# Altium PCB LimeNet-Micro_2v0.PcbDoc (part 4 of 11)
Units mm, origin at the board's own origin, x right, y up, seen from the top; angles counter-clockwise.
Board outline 75 x 143 mm, 6 copper layers (Top, L2, L3, L4, L5, Bottom), stack 1.583 mm thick; 781 components, 551 nets, 3551 pads, 1336 vias.
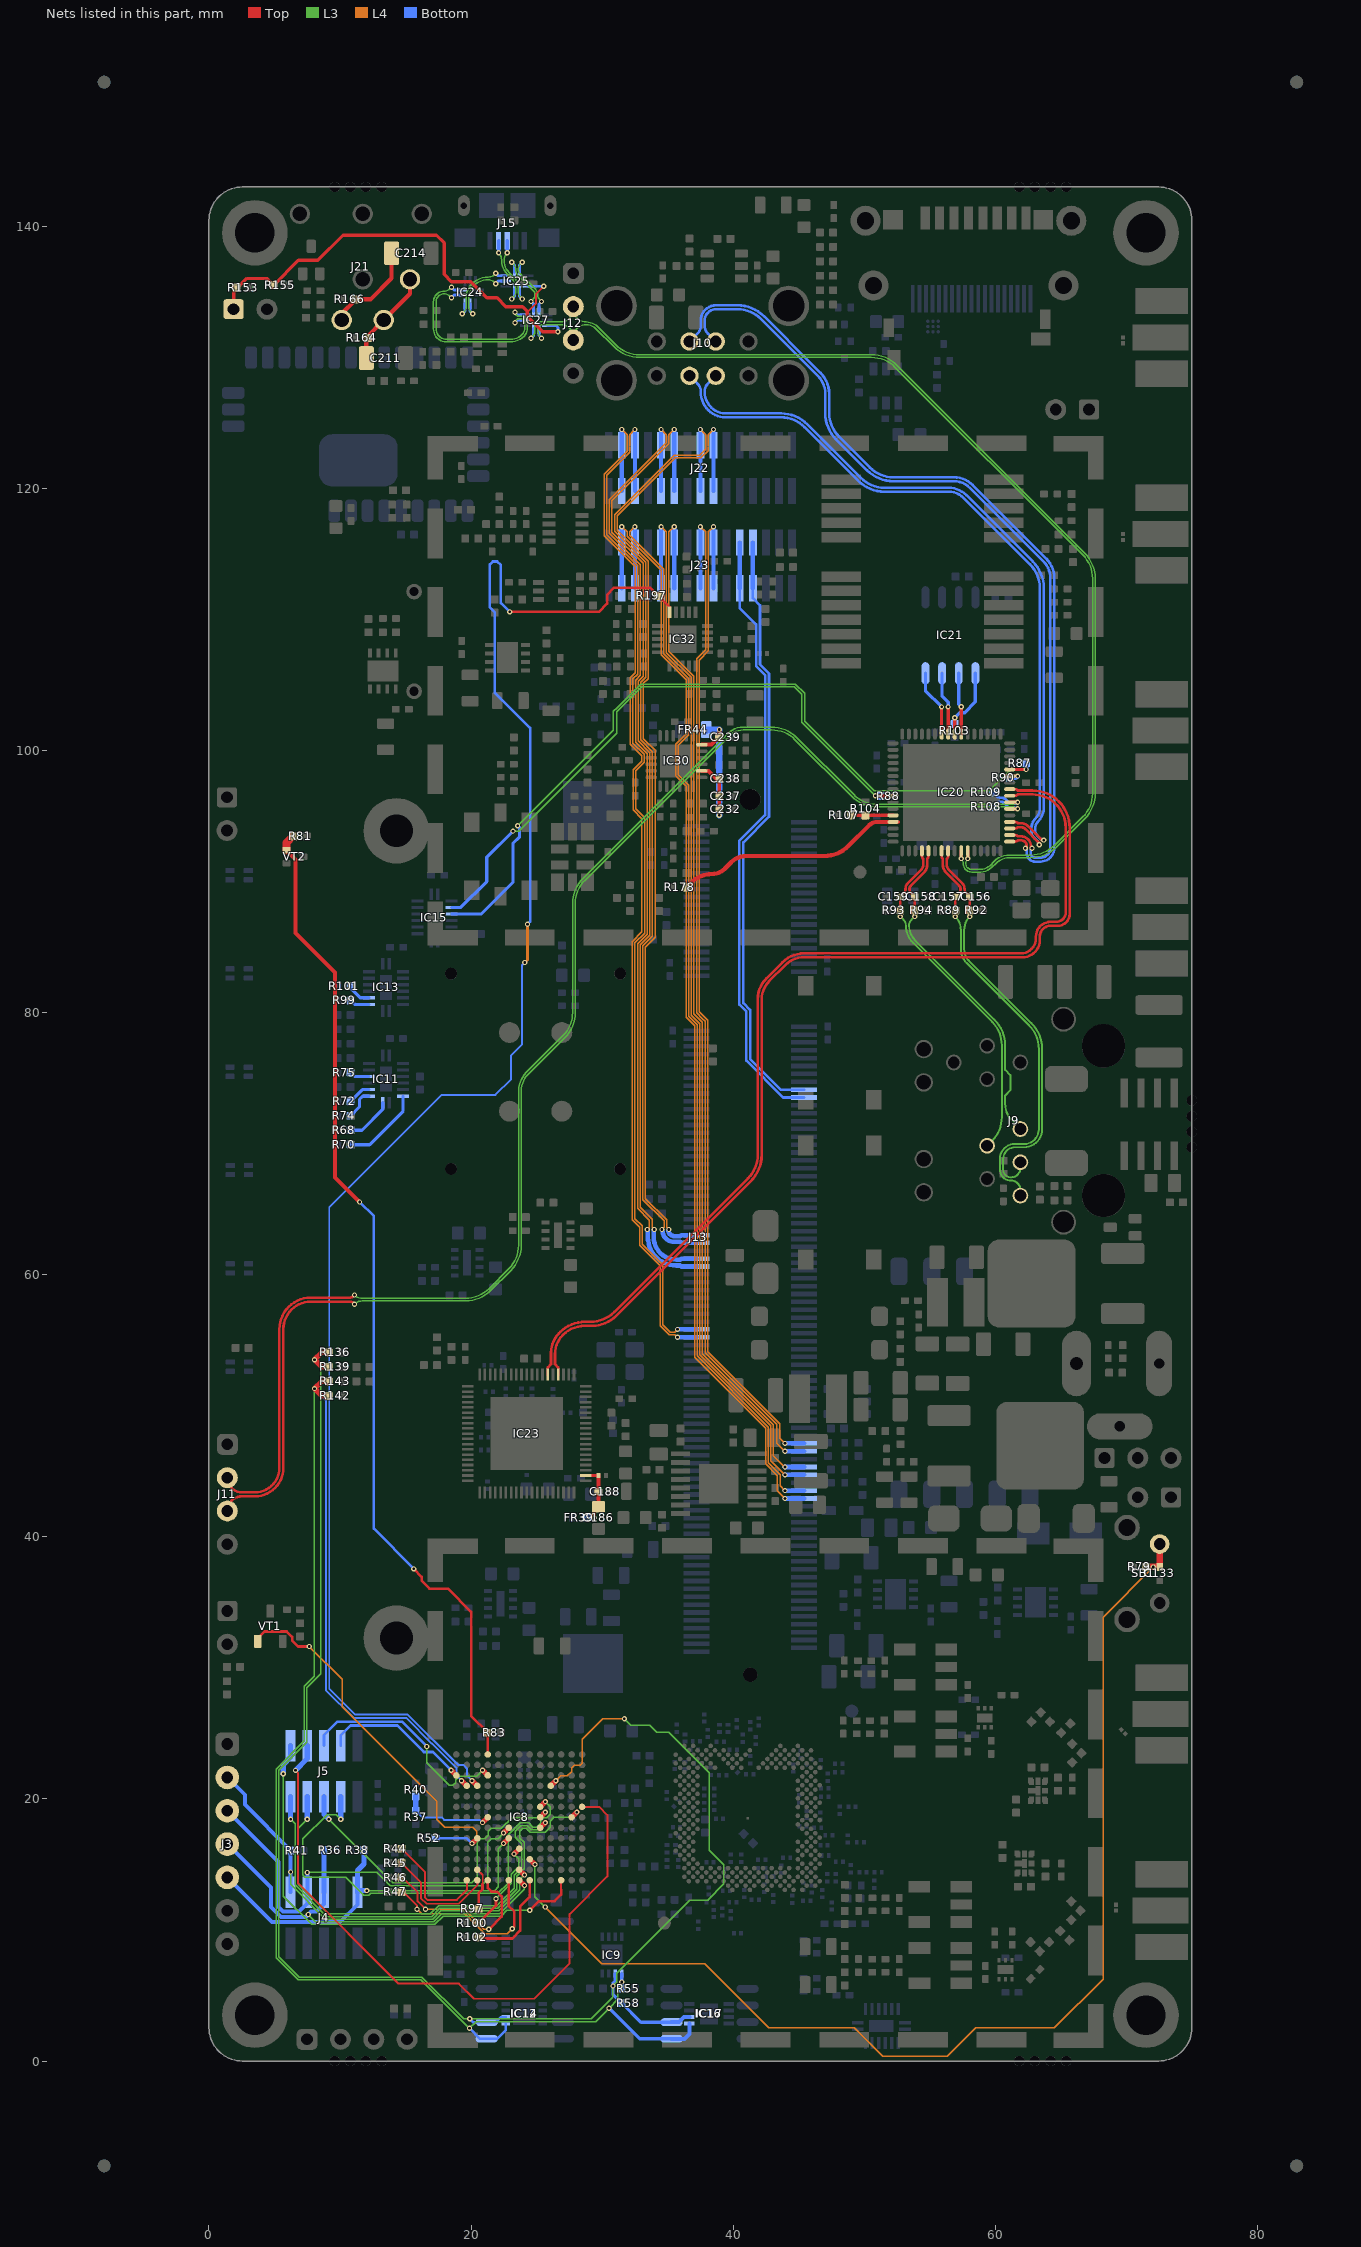
[diagram p8: the nets of this part, all layers, seen from the top]

## Part data (continued)
R184 R252: library part Res_0402, Manufacturer=Yageo, Manufacturer Part Number 1=RC0402FR-0722RL, Resistance (Ohms)=22, Supplier Device Package=0402, Supplier Part Number 1=311-22.0LRTR-ND, Temperature Coefficient=±100ppm/°C, Tolerance=±1%, Category=Resistors, Composition="Thick Film", Part Description="RES SMD 22 OHM 1% 1/16W 0402", Supplier 1=Digi-Key
R191 R239: library part Res_0402, Manufacturer="Panasonic Electronic Components", Manufacturer Part Number 1=ERA-2AED471X, Operating Temperature="-55°C ~ 155°C", Package / Case="0402 (1005 Metric)", Power (Watts)="0.063W, 1/16W", Resistance (Ohms)=470, Supplier Device Package=0402, Supplier Part Number 1=P470DETR-ND, Temperature Coefficient=±25ppm/°C, Tolerance=±0.5%, Category=Resistors, Composition="Thin Film", Features="Automotive AEC-Q200", Height="0.016\" (0.40mm)", Number of Terminations=2, Packaging="Tape & Reel (TR)", RoHS="RoHS Compliant", Size / Dimension="0.039\" L x 0.020\" W (1.00mm x 0.50mm)", Supplier 1=Digi-Key
  R191: Part Description="RES SMD 470 OHM 0.5% 1/16W 0402"
  R239: Assembly Info=NF
R199: library part Res_0402, Manufacturer=Yageo, Manufacturer Part Number 1=RC0402JR-07330RL, Operating Temperature="-55°C ~ 155°C", Package / Case="0402 (1005 Metric)", Power (Watts)="0.063W, 1/16W", Resistance (Ohms)=330, Supplier Device Package=0402, Supplier Part Number 1=311-330JRTR-ND, Temperature Coefficient=±100ppm/°C, Tolerance=±5%, Category=Resistors, Composition="Thick Film", Features="Moisture Resistant", Height="0.016\" (0.40mm)", Number of Terminations=2, Packaging="Tape & Reel (TR)", Part Description="RES SMD 330 OHM 5% 1/16W 0402", RoHS="RoHS Compliant", Size / Dimension="0.039\" L x 0.020\" W (1.00mm x 0.50mm)", Supplier 1=Digi-Key
R205 R206 R207: library part Res_0402, Manufacturer="Samsung Electro-Mechanics America, Inc.", Manufacturer Part Number 1=RC1005F49R9CS, Operating Temperature="-55°C ~ 155°C", Package / Case="0402 (1005 Metric)", Power (Watts)="0.063W, 1/16W", Resistance (Ohms)=49.9, Supplier Part Number 1=1276-3469-6-ND, Temperature Coefficient=±100ppm/°C, Tolerance=±1%, Category=Resistors, Composition="Thick Film", Features=-, Height="0.016\" (0.40mm)", Number of Terminations=2, Packaging=Digi-Reel®, Part Description="RES SMD 49.9 OHM 1% 1/16W 0402", RoHS="RoHS Compliant", Size / Dimension="0.039\" L x 0.020\" W (1.00mm x 0.50mm)", Supplier 1=Digi-Key, Supplier Device Package="0402 (1005 Metric)"
R209: library part Res_0402, Manufacturer=Yageo, Manufacturer Part Number 1=RC0402FR-0788K7L, Operating Temperature="-55°C ~ 155°C", Package / Case="0402 (1005 Metric)", Power (Watts)="0.063W, 1/16W", Supplier Device Package=0402, Supplier Part Number 1=311-88.7KLRCT-ND, Temperature Coefficient=±100ppm/°C, Tolerance=±1%, Category=Resistors, Composition="Thick Film", Failure Rate=-, Features="Moisture Resistant", Height - Seated (Max)="0.016\" (0.40mm)", Packaging="Cut Tape (CT)", Part Description="88.7 kOhms ±1% 0.063W, 1/16W Chip Resistor 0402 (1005 Metric) Moisture Resistant Thick Film", Part Status=Active, RoHS="RoHS Compliant", Size / Dimension="0.039\" L x 0.020\" W (1.00mm x 0.50mm)", Supplier 1=Digi-Key
R212: library part Res_0402, Manufacturer=Yageo, Manufacturer Part Number 1=RC0402FR-0733KL, Operating Temperature="-55°C ~ 155°C", Package / Case="0402 (1005 Metric)", Power (Watts)="0.063W, 1/16W", Supplier Device Package=0402, Supplier Part Number 1=311-33.0KLRCT-ND, Temperature Coefficient=±100ppm/°C, Tolerance=±1%, Category=Resistors, Composition="Thick Film", Failure Rate=-, Features="Moisture Resistant", Height - Seated (Max)="0.016\" (0.40mm)", Packaging="Cut Tape (CT)", Part Description="33 kOhms ±1% 0.063W, 1/16W Chip Resistor 0402 (1005 Metric) Moisture Resistant Thick Film", Part Status=Active, RoHS="RoHS Compliant", Size / Dimension="0.039\" L x 0.020\" W (1.00mm x 0.50mm)", Supplier 1=Digi-Key
R214: library part Res_0402, Manufacturer="Stackpole Electronics Inc.", Manufacturer Part Number=RMCF0805FT52R3, Operating Temperature="-55°C ~ 155°C", Package / Case="0805 (2012 Metric)", Power (Watts)="0.125W, 1/8W", Supplier Device Package=0805, Supplier Part Number 1=RMCF0805FT52R3CT-ND, Temperature Coefficient=±100ppm/°C, Tolerance=±1%, Category=Resistors, Composition="Thick Film", Failure Rate=-, Features="Automotive AEC-Q200", Height - Seated (Max)="0.026\" (0.65mm)", Packaging="Cut Tape (CT)", Part Status=Active, RoHS="RoHS Compliant", Size / Dimension="0.079\" L x 0.049\" W (2.00mm x 1.25mm)", Supplier 1=Digi-Key
R215 R217 R233: library part Res_0402, Manufacturer=Yageo, Manufacturer Part Number 1=RC0402FR-0715KL, Operating Temperature="-55°C ~ 155°C", Package / Case="0402 (1005 Metric)", Power (Watts)="0.063W, 1/16W", Resistance (Ohms)=15k, Supplier Device Package=0402, Supplier Part Number 1=311-15.0KLRCT-ND, Temperature Coefficient=±100ppm/°C, Tolerance=±1%, Category=Resistors, Composition="Thick Film", Failure Rate=-, Features="Moisture Resistant", Height - Seated (Max)="0.016\" (0.40mm)", Number of Terminations=2, Packaging="Cut Tape (CT)", Part Description="RES SMD 15K OHM 1% 1/16W 0402", Part Status=Active, RoHS="RoHS Compliant", Size / Dimension="0.039\" L x 0.020\" W (1.00mm x 0.50mm)", Supplier 1=Digi-Key
R218: library part Res_0402, Manufacturer=Yageo, Manufacturer Part Number 1=RC0402FR-07330KL, Operating Temperature="-55°C ~ 155°C", Package / Case="0402 (1005 Metric)", Power (Watts)="0.063W, 1/16W", Supplier Device Package=0402, Supplier Part Number 1=311-330KLRCT-ND, Temperature Coefficient=±100ppm/°C, Tolerance=±1%, Category=Resistors, Composition="Thick Film", Failure Rate=-, Features="Moisture Resistant", Height - Seated (Max)="0.016\" (0.40mm)", Packaging="Cut Tape (CT)", Part Description="330 kOhms ±1% 0.063W, 1/16W Chip Resistor 0402 (1005 Metric) Moisture Resistant Thick Film", Part Status=Active, RoHS="RoHS Compliant", Size / Dimension="0.039\" L x 0.020\" W (1.00mm x 0.50mm)", Supplier 1=Digi-Key
R222: library part Res_0402, Manufacturer="Samsung Electro-Mechanics", Manufacturer Part Number 1=RC1005F2102CS, Operating Temperature="-55°C ~ 155°C", Package / Case="0402 (1005 Metric)", Power (Watts)="0.063W, 1/16W", Supplier Device Package=0402, Supplier Part Number 1=1276-3450-1-ND, Temperature Coefficient=±100ppm/°C, Tolerance=±1%, Category=Resistors, Composition="Thick Film", Failure Rate=-, Features="Moisture Resistant", Height - Seated (Max)="0.016\" (0.40mm)", Packaging="Cut Tape (CT)", Part Description="21 kOhms ±1% 0.063W, 1/16W Chip Resistor 0402 (1005 Metric) Moisture Resistant Thick Film", Part Status=Active, RoHS="RoHS Compliant", Size / Dimension="0.039\" L x 0.020\" W (1.00mm x 0.50mm)", Supplier 1=Digi-Key
R231 R232: library part Res_0402, Manufacturer=Yageo, Manufacturer Part Number 1=RL0805JR-070R47L, Operating Temperature="-55°C ~ 155°C", Package / Case="0805 (2012 Metric)", Power (Watts)="0.125W, 1/8W", Supplier Device Package=0805, Supplier Part Number 1=311-0.47LVCT-ND, Temperature Coefficient=±300ppm/°C, Tolerance=±5%, Category=Resistors, Composition="Thick Film", Failure Rate=-, Features="Automotive AEC-Q200, Current Sense, Moisture Resistant", Height - Seated (Max)="0.024\" (0.60mm)", Packaging="Cut Tape (CT)", Part Description="470 mOhms ±5% 0.125W, 1/8W Chip Resistor 0805 (2012 Metric) Automotive AEC-Q200, Current Sense, Moisture Resistant Thick Film", Part Status=Active, RoHS="RoHS Compliant", Size / Dimension="0.079\" L x 0.049\" W (2.00mm x 1.25mm)", Supplier 1=Digi-Key
R234: library part Res_0402, Manufacturer=Yageo, Manufacturer Part Number=RC0402FR-0712K4L, Manufacturer Part Number 1=RT0402BRE0712K4L, Operating Temperature="-55°C ~ 155°C", Package / Case="0402 (1005 Metric)", Power (Watts)="0.063W, 1/16W", Supplier Device Package=0402, Supplier Part Number 1=YAG4337CT-ND, Temperature Coefficient=±50ppm/°C, Tolerance=±0.1%, Category=Resistors, Composition="Thin Film", Failure Rate=-, Features=-, Height - Seated (Max)="0.014\" (0.35mm)", Packaging="Cut Tape (CT)", Part Description=RT0402BRE0712K4L, Part Status=Active, RoHS="RoHS Compliant", Size / Dimension="0.039\" L x 0.020\" W (1.00mm x 0.50mm)", Supplier 1=Digi-Key
R236: library part Res_0402, Manufacturer="Vishay Dale", Manufacturer Part Number=CRCW0402560RFKED, Operating Temperature="-55°C ~ 155°C", Package / Case="0402 (1005 Metric)", Power (Watts)="0.063W, 1/16W", Resistance (Ohms)=560, Supplier Part Number 1=541-560LCT-ND, Temperature Coefficient=±100ppm/°C, Tolerance=±1%, Category=Resistors, Composition="Thick Film", Features="Automotive AEC-Q200", Height="0.016\" (0.40mm)", Number of Terminations=2, Packaging="Cut Tape (CT)", Part Description="RES SMD 560 OHM 1% 1/16W 0402", RoHS="RoHS Compliant", Size / Dimension="0.039\" L x 0.020\" W (1.00mm x 0.50mm)", Supplier 1=Digi-Key, Supplier Device Package="0402 (1005 Metric)"
R237 R238: library part Res_0402, Manufacturer=Yageo, Manufacturer Part Number=RC0402FR-07118KL, Operating Temperature="-55°C ~ 155°C", Package / Case="0402 (1005 Metric)", Power (Watts)="0.063W, 1/16W", Supplier Device Package=0402, Supplier Part Number 1=YAG2369CT-ND, Temperature Coefficient=±100ppm/°C, Tolerance=±1%, Category=Resistors, Composition="Thick Film", Failure Rate=-, Features="Moisture Resistant", Height - Seated (Max)="0.016\" (0.40mm)", Packaging="Cut Tape (CT)", Part Status=Active, RoHS="RoHS Compliant", Size / Dimension="0.039\" L x 0.020\" W (1.00mm x 0.50mm)", Supplier 1=Digi-Key
R241 R242: library part Res_0402, Manufacturer=Yageo, Manufacturer Part Number 1=RC0402JR-07150KL, Operating Temperature="-55°C ~ 155°C", Package / Case="0402 (1005 Metric)", Power (Watts)="0.063W, 1/16W", Supplier Device Package=0402, Supplier Part Number 1=311-150KJRCT-ND, Temperature Coefficient=±100ppm/°C, Tolerance=±5%, Category=Resistors, Composition="Thick Film", Failure Rate=-, Features="Moisture Resistant", Height - Seated (Max)="0.016\" (0.40mm)", Packaging="Cut Tape (CT)", Part Description="150 kOhms ±5% 0.063W, 1/16W Chip Resistor 0402 (1005 Metric) Moisture Resistant Thick Film", Part Status=Active, RoHS="RoHS Compliant", Size / Dimension="0.039\" L x 0.020\" W (1.00mm x 0.50mm)", Supplier 1=Digi-Key
R243: library part Res_0402, Manufacturer=Yageo, Manufacturer Part Number=RC0402FR-071K6L, Operating Temperature="-55°C ~ 155°C", Package / Case="0402 (1005 Metric)", Power (Watts)="0.063W, 1/16W", Supplier Device Package=0402, Supplier Part Number 1=YAG3045CT-ND, Temperature Coefficient=±100ppm/°C, Tolerance=±1%, Category=Resistors, Composition="Thick Film", Failure Rate=-, Features="Moisture Resistant", Height - Seated (Max)="0.016\" (0.40mm)", Packaging="Cut Tape (CT)", Part Description="1.6 kOhms ±1% 0.063W, 1/16W Chip Resistor 0402 (1005 Metric) Moisture Resistant Thick Film", Part Status=Active, RoHS="RoHS Compliant", Size / Dimension="0.039\" L x 0.020\" W (1.00mm x 0.50mm)", Supplier 1=Digi-Key
R244: library part Res_0402, Manufacturer=Yageo, Manufacturer Part Number=RC0402FR-07750RL, Operating Temperature="-55°C ~ 155°C", Package / Case="0402 (1005 Metric)", Power (Watts)="0.063W, 1/16W", Resistance (Ohms)=750, Supplier Device Package=0402, Supplier Part Number 1=311-750LRCT-ND, Temperature Coefficient=±100ppm/°C, Tolerance=±1%, Category=Resistors, Composition="Thick Film", Features="Moisture Resistant", Height="0.016\" (0.40mm)", Number of Terminations=2, Packaging="Cut Tape (CT)", Part Description="RES SMD 750 OHM 1% 1/16W 0402", RoHS="RoHS Compliant", Size / Dimension="0.039\" L x 0.020\" W (1.00mm x 0.50mm)", Supplier 1=Digi-Key
R246: library part Res_0402, Manufacturer=Yageo, Manufacturer Part Number=RC0402FR-07510RL, Operating Temperature="-55°C ~ 155°C", Package / Case="0402 (1005 Metric)", Power (Watts)="0.063W, 1/16W", Supplier Device Package=0402, Supplier Part Number 1=311-510LRCT-ND, Temperature Coefficient=±100ppm/°C, Tolerance=±1%, Category=Resistors, Composition="Thick Film", Failure Rate=-, Features="Moisture Resistant", Height - Seated (Max)="0.016\" (0.40mm)", Packaging="Cut Tape (CT)", Part Description="510 Ohms ±1% 0.063W, 1/16W Chip Resistor 0402 (1005 Metric) Moisture Resistant Thick Film", Part Status=Active, RoHS="RoHS Compliant", Size / Dimension="0.039\" L x 0.020\" W (1.00mm x 0.50mm)", Supplier 1=Digi-Key
R248: library part Res_0402, Manufacturer=Yageo, Manufacturer Part Number 1=RC0402FR-07187KL, Operating Temperature="-55°C ~ 155°C", Package / Case="0402 (1005 Metric)", Power (Watts)="0.063W, 1/16W", Supplier Device Package=0402, Supplier Part Number 1=311-187KLRCT-ND, Temperature Coefficient=±100ppm/°C, Tolerance=±1%, Category=Resistors, Composition="Thick Film", Failure Rate=-, Features="Moisture Resistant", Height - Seated (Max)="0.016\" (0.40mm)", Packaging="Cut Tape (CT)", Part Description="187 kOhms ±1% 0.063W, 1/16W Chip Resistor 0402 (1005 Metric) Moisture Resistant Thick Film", Part Status=Active, RoHS="RoHS Compliant", Size / Dimension="0.039\" L x 0.020\" W (1.00mm x 0.50mm)", Supplier 1=Digi-Key
R249: library part Res_0402, Manufacturer=Yageo, Manufacturer Part Number 1=RC0402FR-0782K5L, Operating Temperature="-55°C ~ 155°C", Package / Case="0402 (1005 Metric)", Power (Watts)="0.063W, 1/16W", Supplier Device Package=0402, Supplier Part Number 1=311-82.5KLRCT-ND, Temperature Coefficient=±100ppm/°C, Tolerance=±1%, Category=Resistors, Composition="Thick Film", Failure Rate=-, Features="Moisture Resistant", Height - Seated (Max)="0.016\" (0.40mm)", Packaging="Cut Tape (CT)", Part Description="82.5 kOhms ±1% 0.063W, 1/16W Chip Resistor 0402 (1005 Metric) Moisture Resistant Thick Film", Part Status=Active, RoHS="RoHS Compliant", Size / Dimension="0.039\" L x 0.020\" W (1.00mm x 0.50mm)", Supplier 1=Digi-Key
SB1: library part Button_right_edge, Contact Rating @ Voltage="0.05A @ 24VDC", Illumination Type, Color=-, Manufacturer="TE Connectivity ALCOSWITCH Switches", Manufacturer Part Number 1=1825027-5, Operating Force=160gf, Operating Temperature="-35°C ~ 85°C", Supplier Part Number 1=450-1662-ND, Actuator Height off PCB, Vertical=-, Actuator Length, Right Angle=3.86mm, Actuator Material="Polybutylene Terephthalate (PBT)", Actuator Orientation="Side Actuated", Actuator Type=Standard, Category=Switches, Circuit=SPST-NO, ComponentLink1Description=http://www.te.com/commerce/DocumentDelivery/DDEController?Action=srchrtrv&DocNm=1825027&DocType=Customer+Drawing&DocLang=English, ComponentLink1URL=http://www.te.com/commerce/DocumentDelivery/DDEController?Action=srchrtrv&DocNm=1825027&DocType=Customer+Drawing&DocLang=English, Features=-, Illumination=Non-Illuminated, Illumination Voltage (Nominal)=-, Ingress Protection=-, Mechanical Life="100,000 Cycles", Mounting Type="Through Hole, Right Angle", Outline="7.10mm x 7.00mm", Packaging=Bulk, Part Description="Tactile Switch SPST-NO Side Actuated Through Hole, Right Angle", Part Status=Active, Pricing 1="1=0.17, 10=0.169, 25=0.1628, 50=0.157, 100=0.1482, 250=0.13952, 500=0.1337, 1000=0.10173, 5000=0.08429 (USD)", RoHS="RoHS Compliant", Stock 1=19790, Supplier 1=Digi-Key, Switch Function=Off-Mom, Switch Travel=0.25mm, Termination Style="PC Pin"
T1 T2 T3 T4: library part TC1-1-13M+, Manufacturer=Minicircuits, Manufacturer Part Number 1=TC1-1-13M-45+, Part Description="RF balun; 1:1 ratio; 3 dB bandwidth: 0.3 MHz to 3.5 GHz; 3.8mm x 3.8mm", Supplier 1=Minicircuits, Supplier Part Number 1=TC1-1-13M-45+
T5: library part PoE13P-50L_Flyback_transformer_1, Case/Package=127, DC Resistance (DCR)=222mR, Inductance=127uh, Isolation Voltage=1.5kV, Manufacturer=Coilcraft, Manufacturer Part Number 1=POE13P-50LB, Package Quantity=1, Supplier Part Number 1=994-POE13P-50LB, Height=12.7mm, Lead Free="Contains Lead", Length=13.46mm, Packaging="Cut Tape", Part Description="Audio Transformers / Signal Transformers POE13P Flyback PoE 127uH 5.0 V 2.6 A", Pricing 1="1=3.92, 10=3.53, 50=3.14, 100=2.75, 1000=2.11, 10000=2.11 (USD)", REACH SVHC="No SVHC", Stock 1=99, Supplier 1=Mouser, Turns Ratio=1:0.25, Width=13mm
VD1: library part TVS_ESD5384NCTBG, Capacitance=29pF, Manufacturer="ON Semiconductor", Manufacturer Part Number 1=ESD5384NCTBG, Max Operating Temperature=85°C, Max Reverse Leakage Current=200nA, Min Breakdown Voltage=6V, Min Operating Temperature=-30°C, Package Quantity=5000, Power Line Protection=No, Reverse Standoff Voltage=3V, Supplier Part Number 1=ESD5384NCTBGOSDKR-ND, Composition=Zener, Depth=1.14mm, Direction=Unidirectional, ESD Protection=Yes, Halogen Free="Halogen Free", Height=0.63mm, Lead Free="Lead Free", Length=1.14mm, Number of Lines=5, Number of Pins=9, Number of Unidirectional Channels=5, Packaging="Tape and Reel", Part Description="TVS DIODE 3V 9WLCSP", Pricing 1="1=0.47, 10=0.406, 100=0.3028, 500=0.23794, 1000=0.18386 (USD)", Radiation Hardening=No, Stock 1=4993, Supplier 1=Digi-Key, Width=1.14mm
VD2: library part BAV99WT1G_DUAL_DIODE, Average Rectified Current=715mA, Case/Package=SOT-323-3, Forward Voltage=1.25V, Manufacturer="ON Semiconductor", Manufacturer Part Number 1=SBAV99WT1G, Max Forward Surge Current (Ifsm)=500mA, Max Operating Temperature=150°C, Max Power Dissipation=200mW, Max Repetitive Reverse Voltage (Vrrm)=70V, Max Reverse Leakage Current=2.5uA, Max Reverse Voltage (DC)=100V, Min Operating Temperature=-65°C, Package Quantity=3000, Peak Non-Repetitive Surge Current=2A, Supplier Part Number 1=SBAV99WT1GOSCT-ND, Element Configuration=Dual, Forward Current=715mA, Halogen Free="Halogen Free", Height=0.9mm, Lead Free="Lead Free", Length=2.2mm, Max Surge Current=500mA, Number of Pins=3, Packaging="Tape and Reel", Part Description="Diode Array 1 Pair Series Connection Standard 100V 215mA (DC) Surface Mount SC-70, SOT-323", Peak Reverse Current=2.5uA, Pricing 1="1=0.32, 10=0.259, 100=0.1375, 500=0.09044, 1000=0.0615 (USD)", Radiation Hardening=No, REACH SVHC="No SVHC", Recovery Time=6ns, Reverse Recovery Time=6ns, Stock 1=1217, Supplier 1=Digi-Key, Width=1.35mm
VD3 VD6: library part DIODE_TVS_UNIDIR, "SMAJ58A-TR", Base Part Number=SMAJ58, Capacitance @ Frequency=-, Current - Peak Pulse (10/1000µs)=4.3A, Manufacturer="Diodes Incorporated", Manufacturer Part Number 1=SMAJ58A-13-F, Operating Temperature="-55°C ~ 150°C (TJ)", Package / Case="DO-214AC, SMA", Power - Peak Pulse=400W, Power Line Protection=No, Supplier Device Package=SMA, Supplier Part Number 1=SMAJ58A-13-FDICT-ND, Voltage - Breakdown (Min)=64.4V, Voltage - Clamping (Max) @ Ipp=93.6V, Voltage - Reverse Standoff (Typ)=58V, Applications="General Purpose", Category="Circuit Protection", Mounting Type="Surface Mount", Packaging="Cut Tape (CT)", Part Description="TVS DIODE 58V 93.6V SMA", Part Status=Active, RoHS="RoHS Compliant", Supplier 1=Digi-Key, Type=Zener
VD4: library part BZX84C15W_DIODE_ZENER, Case/Package=SOT-323, Manufacturer=Diodes, Manufacturer Part Number 1=BZX84C15W-7-F, Max Operating Temperature=125°C, Max Power Dissipation=200mW, Max Reverse Leakage Current=100nA, Min Operating Temperature=-65°C, Output Current=23mA, Package Quantity=3000, Supplier Part Number 1=BZX84C15W-FDIDKR-ND, Test Current=5mA, Tolerance=6%, Voltage Rating (DC)=15V, ComponentLink1Description=http://www.onsemi.com/pub/Collateral/BZX84C2V4LT1-D.PDF, ComponentLink1URL=http://www.onsemi.com/pub/Collateral/BZX84C2V4LT1-D.PDF, ComponentLink2Description=https://www.verical.com/server-webapp/html/getDatasheet?partID=101861, ComponentLink2URL=https://www.verical.com/server-webapp/html/getDatasheet?partID=101861, ComponentLink3Description=http://www.farnell.com/datasheets/1874542.pdf, ComponentLink3URL=http://www.farnell.com/datasheets/1874542.pdf, ComponentLink4Description=https://www.alliedelec.com/m/d/89a0f5fa5faf07909887b6182710b562.pdf, ComponentLink4URL=https://www.alliedelec.com/m/d/89a0f5fa5faf07909887b6182710b562.pdf, ComponentLink5Description=https://www.onsemi.com/pub/Collateral/BZX84C2V4LT1-D.PDF, ComponentLink5URL=https://www.onsemi.com/pub/Collateral/BZX84C2V4LT1-D.PDF, ComponentLink6Description=http://www.onsemi.com/pub_link/Collateral/BZX84C2V4LT1-D.PDF, ComponentLink6URL=http://www.onsemi.com/pub_link/Collateral/BZX84C2V4LT1-D.PDF, ComponentLink7Description=http://www.diodes.com/datasheets/ds30066.pdf, ComponentLink7URL=http://www.diodes.com/datasheets/ds30066.pdf, ComponentLink8Description=https://www.diodes.com/assets/Datasheets/ds30066.pdf, ComponentLink8URL=https://www.diodes.com/assets/Datasheets/ds30066.pdf, ComponentLink9Description=http://www.diodes.com//datasheets/ds30066.pdf, ComponentLink9URL=http://www.diodes.com//datasheets/ds30066.pdf, Contact Plating=Matte,Tin, Element Configuration=Single, ESD Protection=No, Height=1mm, Impedance=30R, Lead Free="Lead Free", Length=2.2mm, Mount="Surface Mount", Number of Pins=3, Packaging="Tape and Reel", Part Description="Zener Diode 15V 200mW ±6% Surface Mount SOT-323", Peak Reverse Current=100nA, Power Dissipation=200mW, Power Rating=200mW, Pricing 1="1=0.38, 10=0.284, 100=0.161, 500=0.1066, 1000=0.08173 (USD)", Radiation Hardening=No, Stock 1=4066, Supplier 1=Digi-Key, Termination=SMD/SMT, Voltage Tolerance=6%, Weight=0.000212oz, Width=1.35mm, Zener Current=5mA, Zener Voltage=15V
VD5: library part STPS15L30C_shottky_rectifier, Average Rectified Current=7.5A, Case/Package=DPAK, Current Rating=15A, Forward Voltage=570mV, Manufacturer=STMicroelectronics, Manufacturer Part Number 1=STPS15L30CB-TR, Max Forward Surge Current (Ifsm)=75A, Max Operating Temperature=150°C, Max Repetitive Reverse Voltage (Vrrm)=30V, Min Operating Temperature=-65°C, Package Quantity=2500, Peak Reverse Current=1mA, Supplier Part Number 1=497-6574-6-ND, ComponentLink1Description=http://www.st.com/content/ccc/resource/technical/document/datasheet/1f/cc/d5/79/c8/b2/47/15/CD00002832.pdf/files/CD00002832.pdf/jcr:content/translations/en.CD00002832.pdf, ComponentLink1URL=http://www.st.com/content/ccc/resource/technical/document/datasheet/1f/cc/d5/79/c8/b2/47/15/CD00002832.pdf/files/CD00002832.pdf/jcr:content/translations/en.CD00002832.pdf, ComponentLink2Description=http://www.mouser.com/ds/2/389/stps15l30c-956623.pdf, ComponentLink2URL=http://www.mouser.com/ds/2/389/stps15l30c-956623.pdf, Contact Plating=Matte,Tin, Element Configuration="Common Cathode", Forward Current=15A, Lead Free="Lead Free", Max Reverse Voltage (DC)=30V, Mount="Surface Mount", Number of Pins=3, Packaging="Tape and Reel", Part Description="Diode Array 1 Pair Common Cathode Schottky 30V 7.5A Surface Mount TO-252-3, DPak (2 Leads + Tab), SC-63", Peak Non-Repetitive Surge Current=75A, Pricing 1="1=1.48, 10=1.327, 100=1.0343, 500=0.8544, 1000=0.67453 (USD)", Radiation Hardening=No, Stock 1=5072, Supplier 1=Digi-Key, Voltage Rating (DC)=30V
VD7: library part DIODE_TVS_UNIDIR, "SMAJ12CA-13-F", Base Part Number=SMBJ5V0, Capacitance @ Frequency=-, Current - Peak Pulse (10/1000µs)=65.2A, Manufacturer="ON Semiconductor", Operating Temperature="-55°C ~ 150°C (TJ)", Package / Case="DO-214AA, SMB", Power - Peak Pulse=600W, Power Line Protection=No, Supplier Device Package="DO-214AA (SMB)", Supplier Part Number 1=SMBJ5V0ACT-ND, Voltage - Breakdown (Min)=6.4V, Voltage - Clamping (Max) @ Ipp=9.2V, Voltage - Reverse Standoff (Typ)=5V, Applications="General Purpose", Assembly Info=NF, Category="Circuit Protection", Manufacturer Part Number 1=SMBJ5V0A, Mounting Type="Surface Mount", Packaging="Cut Tape (CT)", Part Description="TVS DIODE 5V 9.2V DO214AA", Part Status="Discontinued at Digi-Key", RoHS="RoHS Compliant", Supplier 1=Digi-Key, Type=Zener
VT1: library part NDS331N, "NDS331N", Current - Continuous Drain (Id) @ 25°C="6.3A (Ta)", Drive Voltage (Max Rds On,  Min Rds On)="2.5V, 4.5V", Input Capacitance (Ciss) (Max) @ Vds="700pF @ 16V", Manufacturer="Infineon Technologies", Operating Temperature="-55°C ~ 150°C (TJ)", Package / Case="TO-236-3, SC-59, SOT-23-3", Power Dissipation (Max)="1.3W (Ta)", Supplier Device Package=Micro3™/SOT-23, Supplier Part Number 1=IRLML6244TRPBFTR-ND, Category="Discrete Semiconductor Products", ComponentLink1Description=https://www.infineon.com/dgdl/irlml6244pbf.pdf?fileId=5546d462533600a4015356686fed261f, ComponentLink1URL=https://www.infineon.com/dgdl/irlml6244pbf.pdf?fileId=5546d462533600a4015356686fed261f, FET Feature=-, FET Type=N-Channel, Gate Charge (Qg) (Max) @ Vgs="8.9nC @ 4.5V", Manufacturer Part Number 1=IRLML6244TRPBF, Mounting Type="Surface Mount", Packaging="Tape & Reel (TR)", Part Description="N-Channel 20V 6.3A (Ta) 1.3W (Ta) Surface Mount Micro3™/SOT-23", Part Status=Active, Pricing 1="3000=0.09979 (USD)", Rds On (Max) @ Id, Vgs="21 mOhm @ 6.3A, 4.5V", RoHS="RoHS Compliant", Stock 1=21000, Supplier 1=Digi-Key, Technology="MOSFET (Metal Oxide)", Vgs (Max)=±12V, Vgs(th) (Max) @ Id="1.1V @ 10µA"
VT2 VT3 VT4 VT5 VT6 VT7: Current - Continuous Drain (Id) @ 25°C="630mA (Ta)", Drive Voltage (Max Rds On,  Min Rds On)="1.8V, 4.5V", Manufacturer="Diodes Incorporated", Manufacturer Part Number=DMG1012TQ-7, Operating Temperature="-55°C ~ 150°C (TJ)", Package / Case=SOT-523, Power Dissipation (Max)="280mW (Ta)", Supplier Part Number 1=DMG1012TQ-7DICT-ND, Category="Discrete Semiconductor Products", ComponentLink1Description=https://www.diodes.com/assets/Datasheets/ds31783.pdf, ComponentLink1URL=https://www.diodes.com/assets/Datasheets/ds31783.pdf, FET Feature=-, FET Type=N-Channel, Mounting Type="Surface Mount", Packaging="Cut Tape (CT)", Part Description="N-Channel 20V 630mA (Ta) 280mW (Ta) Surface Mount SOT-523", Part Status=Active, Pricing 1="1=0.47, 10=0.424, 100=0.2375, 500=0.12722, 1000=0.08651 (USD)", Rds On (Max) @ Id, Vgs="400 mOhm @ 600mA, 4.5V", RoHS="RoHS Compliant", Stock 1=3569, Supplier 1=Digi-Key, Supplier Device Package=SOT-523, Technology="MOSFET (Metal Oxide)", Vgs (Max)=±6V, Vgs(th) (Max) @ Id="1V @ 250µA"
VT8: library part STS10N3LH5_NMOS, Case/Package=SOIC, Continuous Drain Current (ID)=10A, Drain to Source Voltage (Vdss)=30V, Gate to Source Voltage (Vgs)=22V, Input Capacitance=475pF, Manufacturer=STMicroelectronics, Max Operating Temperature=150°C, Max Power Dissipation=2.5W, Min Operating Temperature=-55°C, Package Quantity=2500, Supplier Part Number 1=497-10010-1-ND, ComponentLink1Description=http://www.st.com/web/en/resource/technical/document/datasheet/CD00103832.pdf, ComponentLink1URL=http://www.st.com/web/en/resource/technical/document/datasheet/CD00103832.pdf, ComponentLink2Description=http://www.st.com/content/ccc/resource/technical/document/datasheet/00/75/48/c3/62/90/4a/32/CD00103832.pdf/files/CD00103832.pdf/jcr:content/translations/en.CD00103832.pdf, ComponentLink2URL=http://www.st.com/content/ccc/resource/technical/document/datasheet/00/75/48/c3/62/90/4a/32/CD00103832.pdf/files/CD00103832.pdf/jcr:content/translations/en.CD00103832.pdf, ComponentLink3Description=http://www.mouser.com/ds/2/389/CD00103832-114014.pdf, ComponentLink3URL=http://www.mouser.com/ds/2/389/CD00103832-114014.pdf, ComponentLink4Description=http://www.st.com/web/en/resource/technical/document/datasheet/CD00232229.pdf, ComponentLink4URL=http://www.st.com/web/en/resource/technical/document/datasheet/CD00232229.pdf, ComponentLink5Description=http://www.st.com/content/ccc/resource/technical/document/datasheet/53/fc/cf/05/f9/85/43/7e/CD00232229.pdf/files/CD00232229.pdf/jcr:content/translations/en.CD00232229.pdf, ComponentLink5URL=http://www.st.com/content/ccc/resource/technical/document/datasheet/53/fc/cf/05/f9/85/43/7e/CD00232229.pdf/files/CD00232229.pdf/jcr:content/translations/en.CD00232229.pdf, Fall Time=2.8ns, Lead Free="Lead Free", Manufacturer Part Number=STS10N3LH5, Mount="Surface Mount", Number of Pins=8, Packaging="Tape and Reel", Part Description="N-Channel 30V 10A (Tc) 2.5W (Tc) Surface Mount 8-SO", Pricing 1="1=1.38, 10=1.219, 100=0.9632, 500=0.74698, 1000=0.58973 (USD)", Radiation Hardening=No, Rds On Max=21mR, Rise Time=22ns, Stock 1=4194, Supplier 1=Digi-Key, Turn-Off Delay Time=13ns, Turn-On Delay Time=4ns
VT9: library part STD5N20LT4_NMOS, Case/Package=DPAK, Continuous Drain Current (ID)=5A, Drain to Source Breakdown Voltage=200V, Drain to Source Resistance=650mR, Gate to Source Voltage (Vgs)=20V, Input Capacitance=242pF, Manufacturer=STMicroelectronics, Max Operating Temperature=150°C, Max Power Dissipation=33W, Min Operating Temperature=-55°C, On-State Resistance=700mR, Package Quantity=2500, Supplier Part Number 1=497-4335-6-ND, Threshold Voltage=2.5V, ComponentLink1Description=http://www.farnell.com/datasheets/1689960.pdf, ComponentLink1URL=http://www.farnell.com/datasheets/1689960.pdf, ComponentLink2Description=http://www.st.com/content/ccc/resource/technical/document/datasheet/group2/51/4c/d5/e5/c6/ef/43/17/CD00043538/files/CD00043538.pdf/jcr:content/translations/en.CD00043538.pdf, ComponentLink2URL=http://www.st.com/content/ccc/resource/technical/document/datasheet/group2/51/4c/d5/e5/c6/ef/43/17/CD00043538/files/CD00043538.pdf/jcr:content/translations/en.CD00043538.pdf, ComponentLink3Description=http://www.st.com/web/en/resource/technical/document/datasheet/CD00043538.pdf, ComponentLink3URL=http://www.st.com/web/en/resource/technical/document/datasheet/CD00043538.pdf, Current Rating=5A, Drain to Source Voltage (Vdss)=200V, Dual Supply Voltage=200V, Element Configuration=Single, Fall Time=15.5ns, Height=2.4mm, Lead Free="Lead Free", Length=6.6mm, Manufacturer Part Number 1=STD5N20LT4, Mount="Surface Mount", Nominal Vgs=2.5V, Number of Elements=1, Number of Pins=3, Packaging="Tape and Reel", Part Description="N-Channel 200V 5A (Tc) 33W (Tc) Surface Mount DPAK", Power Dissipation=33W, Pricing 1="1=1.17, 10=1.033, 100=0.8161, 500=0.6329, 1000=0.49965 (USD)", Radiation Hardening=No, Rds On Max=700mR, REACH SVHC="No SVHC", Rise Time=21.5ns, Stock 1=3027, Supplier 1=Digi-Key, Termination=SMD/SMT, Turn-Off Delay Time=14ns, Turn-On Delay Time=11.5ns, Voltage Rating (DC)=200V, Width=6.2mm
XO1: library part AOCJYR-10.000MHz, Frequency Nom, MHz=30.72, Frequency Stability +/-, ppb=20, Manufacturer=Rakon, Oscillator Case="SMD, 9.7mm x 7.5", Supplier Part Number 1=U7475LF, Supply Voltage Nom=3.3, Manufacturer Part Number 1="U7475LF 30.72MHz", Oscillator Output Compatibility=CMOS, Part Description="ROM9070SA 30.72MHz MERC+ 9x7 HOT RC2.5 3.3V PULL", Supplier 1=Rakon
XO2: library part RPT7050A, Manufacturer=Rakon, Manufacturer Part Number 1=E6245LF, Part Description="TCXO 30.72MHz, E6245LF", Supplier 1=Rakon, Supplier Part Number 1=E6245LF
XO3: library part TXCO, Manufacturer=Rakon, Manufacturer Part Number 1=E5280LF, Assembly Info=NF, Part Description="TCXO 30.72MHz, E5280LF", Supplier 1=Rakon, Supplier Part Number 1=E5280LF
XO4: library part Rakon_RTX5032A, Manufacturer=Rakon, Manufacturer Part Number 1=RTX5032A, Part Description="RTX5032A 40MHz, High performance TCXO, With VC, Filter Enabled, 10-pin 5mm x 3.2 mm x 1.65 mm package", Supplier 1=RAKON, Supplier Part Number 1=RTX5032A
XT1: library part CRYSTAL_19M2, "Oscillator Crystal 25 MHz", Manufacturer=ABRACON, Manufacturer Part Number 1=ABM8-25.000MHZ-B2-T, Supplier Part Number 1=13J1767, Part Description="25MHz ±20ppm Crystal 18pF 50 Ohm -20°C ~ 70°C Surface Mount 4-SMD, No Lead (DFN, LCC)", Supplier 1=Newark
XT2: library part CRYSTAL_19M2, "Oscillator Crystal 25 MHz", ESR (Equivalent Series Resistance)="50 Ohm", Frequency Stability=±20ppm, Frequency Tolerance=±10ppm, Load Capacitance=8pF, Manufacturer="AVX Corp/Kyocera Corp", Manufacturer Part Number=CX3225SB30000D0FPLCC, Operating Mode=Fundamental, Operating Temperature="-40°C ~ 85°C", Package / Case="4-SMD, No Lead (DFN, LCC)", Ratings=-, Supplier Part Number 1=1253-1368-1-ND, Category="Crystals and Oscillators", Frequency=30MHz, Height="0.024\" (0.60mm)", Mounting Type="Surface Mount", Packaging="Cut Tape (CT)", Part Description="30MHz ±10ppm Crystal 8pF 50 Ohm -40°C ~ 85°C Surface Mount 4-SMD, No Lead (DFN, LCC)", RoHS="RoHS Compliant", Size / Dimension="0.126\" L x 0.098\" W (3.20mm x 2.50mm)", Supplier 1=Digi-Key, Type="MHz Crystal"

## Free pads (board coordinates)
  round 0.8 hole 0.8 unplated: 0(9.6,0) 0(9.6,143) 0(10.775,0) 0(10.775,143) 0(11.975,0) 0(11.975,143) 0(13.175,0) 0(13.175,143) 0(61.825,0) 0(61.825,143) 0(63.025,0) 0(63.025,143) 0(64.225,0) 0(64.225,143) 0(65.4,0) 0(65.4,143) 0(75,69.725) 0(75,70.9) 0(75,72.1) 0(75,73.3)
  round 5 hole 2.5 mask+0.05: 1(14.3,32.275) 1(14.3,93.875)

## Via types
v1: diameter 0.4, hole 0.2, Top to Bottom, tented both sides, 1190 vias
v2: diameter 0.35, hole 0.2, Top to Bottom, tented both sides, 98 vias
v3: diameter 0.5, hole 0.2, Top to Bottom, tented bottom, 25 vias
v4: diameter 0.5, hole 0.2, Top to Bottom, tented both sides, 12 vias
v5: diameter 0.8, hole 0.4, Top to Bottom, tented both sides, 5 vias
v6: diameter 0.4, hole 0.2, Top to Bottom, tented top, 4 vias
v7: diameter 0.4, hole 0.2, Top to Bottom, tented bottom, 2 vias

## Nets (pads, with @x,y where several pads share a name; then routed paths per layer and width w, separated by ;. In a path a pad name is that pad's centre, name@x,y a point inside that pad or via, vN(x,y) a via of type N, cw(c..) or ccw(c..) an arc to the next point about the centre after c; other vN are vias at no path point)
+1.8V_DIG_LMK: C232.2 C237.2 C238.2 C239.2 FR44.2 IC30.2 IC30.6 | length 14.1
  Top w0.3: IC30.2@37.6,98.45 38.1,98.45 38.7,97.85 38.925,97.85 C238.2@38.938,97.837 v1(38.938,95.05) ; IC30.6@37.6,100.45 38.35,100.45 C239.2@38.925,101.025 38.95,101.05 v1(38.95,101.6)
  Bottom w0.5: FR44.2@37.952,101.525 38.027,101.6 v1(38.95,101.6) v1@38.95,95.05
ADF_MUXOUT: IC8.C10 IC32.15 R197.1 | length 129.7
  Top w0.2: v1(22.95,110.575) 29.75,110.575 30.375,111.2 30.375,111.88 30.92,112.425 33.65,112.425 35.138,110.937 IC32.15@35.138,110.55
  Top w0.4: v1(20.072,21.394) IC8.C10@20.472,20.994
  L4 w0.2: v1(24.1,83.825) 24.3,84.025 v1(24.3,86.75)
  Bottom w0.15: v1(20.072,21.394) 19.675,21.791 19.675,22.321 19.396,22.6 19.001,22.6 17.132,24.469 17.118,24.469 15.162,26.425 11.16,26.425 9.175,28.41 9.175,65.139 17.761,73.725 21.85,73.725 23.052,74.927 23.052,76.733 23.32,77 23.325,77 23.9,77.575 23.9,83.625 v1(24.1,83.825)
  Bottom w0.2: v1(22.95,110.575) 22.275,111.25 22.275,114.141 21.991,114.425 21.659,114.425 21.425,114.191 21.425,110.926 21.8,110.551 21.8,104.426 24.5,101.726 24.5,86.95 v1(24.3,86.75)
AUDIO_L: C211.1 J21.2 J21.5 R164.1 | length 7.4
  Top w0.325: C211.1@12.006,129.95 12.006,131.522 J21.5@13.335,132.85 15.335,134.85 J21.2@15.335,135.95
AUDIO_R: C214.1 J21.3 R166.2 | length 7.3
  Top w0.325: J21.3@10.135,132.85 10.135,133.335 R166.2@11.225,134.425 12.325,134.425 13.935,136.035 C214.1@13.935,137.95
AVDD_FT: C186.2 C187.2 C188.1 FR39.2 IC23.2 | length 4.9
  Top w0.2: IC23.2@28.75,44.675 C187.2@29.725,44.675
  Top w0.3: v1(29.383,41.45) 29.383,41.958 C186.2@29.725,42.3 ; C186.2@29.725,42.4 C188.1@29.725,43.425 C187.2@29.725,44.675
  Bottom w0.4: FR39.2@28.758,41.45 v1(29.383,41.45)
BOM_VER0: IC8.B1 R44.2 | length 8.8
  Top w0.15: R44.2@14.7,16.2 16.475,14.425 16.475,12.479 16.654,12.3 18.922,12.3 19.672,13.05 IC8.B1@19.672,13.794
BOM_VER1: IC8.C1 R45.2 | length 8.7
  Top w0.15: R45.2@14.7,15.1 16.175,13.625 16.175,12.425 16.6,12 19.05,12 20.472,13.422 IC8.C1@20.472,13.794
BOM_VER2: IC8.D1 R46.2 | length 13.5
  Top w0.15: R46.2@14.7,14 14.8,14 15.925,12.875 15.925,12.175 v1(16.525,11.575)
  Top w0.2: IC8.D1@21.272,13.794 21.272,13.196 21.55,12.918 21.967,12.918 22.325,12.56 22.325,11.025 v1(21.35,10.05)
  L4 w0.1: v1(16.525,11.575) 19.459,11.575 20.984,10.05 v1(21.35,10.05)
BOM_VER3: IC8.F1 R47.2 | length 14
  Top w0.15: R47.2@14.7,12.9 14.838,12.9 15.875,11.863 v1(15.875,11.575)
  Top w0.2: IC8.F1@22.872,13.794 22.872,11.826 23.3,11.398 23.3,10.246 v1(23.138,10.084)
  L4 w0.1: v1(15.875,11.575) 16.225,11.225 19.526,11.225 21.051,9.7 22.754,9.7 v1(23.138,10.084)
BUZZER: IC8.D13 R81.1 R83.1 VT2.G | length 77.4
  Top w0.2: v1(15.625,37.55) 16.225,36.95 16.225,36.65 16.825,36.05 18.225,36.05 20,34.275 20,26.322 R83.1@21.272,25.05 IC8.D13@21.272,23.394
  Top w0.3: VT2.G@5.915,92.379 6.6,91.694 6.6,86.075 9.625,83.05 9.625,67.425 v1@11.5,65.55
  Top w0.6: VT2.G@5.915,92.379 5.915,92.965 R81.1@6.4,93.45
  Bottom w0.2: v1(11.492,65.55) 12.575,64.467 12.575,40.621 v1@15.636,37.561
CAM1_CLK_N: J13.149 J23.8 | length 80
  L4 w0.1: v1(37.5,117.075) 37.9,116.675 37.9,107.684 37.2,106.984 37.2,79.981 37.65,79.531 37.85,79.331 37.85,54.051 43.325,48.576 43.325,47.15 v1(43.95,46.525)
  Bottom w0.325: J23.8@37.5,112.375 J23.8@37.5,115.875 v1(37.5,117.075)
  Bottom w0.35: v1(43.95,46.525) J13.149@45.4,46.525
CAM1_CLK_P: J13.147 J23.9 | length 79.3
  L4 w0.1: v1(38.5,117.075) 38.1,116.675 38.1,107.601 37.4,106.901 37.4,80.064 37.85,79.614 38.05,79.414 38.05,54.134 43.55,48.634 43.55,47.525 v1(43.95,47.125)
  Bottom w0.325: J23.9@38.5,112.375 J23.9@38.5,115.875 v1(38.5,117.075)
  Bottom w0.35: v1(43.95,47.125) J13.147@45.4,47.125
CAM1_D0_N: J13.161 J23.2 | length 86.1
  L4 w0.1: v1(31.5,117.075) 31.9,116.675 31.9,116.346 34.5,113.746 34.5,107.309 36.4,105.409 36.4,101.283 35.6,100.483 35.6,98.075 36.4,97.275 36.4,79.65 37.05,79 37.05,53.72 42.475,48.295 42.475,45.56 43.375,44.66 43.375,43.5 v1(43.95,42.925)
  Bottom w0.325: J23.2@31.5,112.375 J23.2@31.5,115.875 v1(31.5,117.075)
  Bottom w0.35: v1(43.95,42.925) J13.161@45.4,42.925
CAM1_D0_P: J13.159 J23.3 | length 85.4
  L4 w0.1: v1(32.5,117.075) 32.1,116.675 32.1,116.428 34.7,113.828 34.7,107.392 36.6,105.492 36.6,101.2 35.8,100.4 35.8,98.158 36.6,97.358 36.6,79.733 37.25,79.083 37.25,53.803 42.675,48.378 42.675,45.642 43.575,44.742 43.575,43.9 v1(43.95,43.525)
  Bottom w0.325: J23.3@32.5,112.375 J23.3@32.5,115.875 v1(32.5,117.075)
  Bottom w0.35: v1(43.95,43.525) J13.159@45.4,43.525
CAM1_D1_N: J13.155 J23.5 | length 82.4
  L4 w0.1: v1(34.5,117.075) 34.9,116.675 34.9,107.475 36.8,105.575 36.8,79.816 37.45,79.166 37.45,53.886 42.875,48.461 42.875,45.8 v1(43.95,44.725)
  Bottom w0.325: J23.5@34.5,112.375 J23.5@34.5,115.875 v1(34.5,117.075)
  Bottom w0.35: v1(43.95,44.725) J13.155@45.4,44.725
CAM1_D1_P: J13.153 J23.6 | length 81.7
  L4 w0.1: v1(35.5,117.075) 35.1,116.675 35.1,107.558 37,105.658 37,79.899 37.65,79.249 37.65,53.969 43.075,48.544 43.075,46.2 v1(43.95,45.325)
  Bottom w0.325: J23.6@35.5,112.375 J23.6@35.5,115.875 v1(35.5,117.075)
  Bottom w0.35: v1(43.95,45.325) J13.153@45.4,45.325
CAM1_GPIO0: J13.59 J23.11 | length 46.9
  Bottom w0.2: J23.11@40.5,112.375 40.5,110.875 41.75,109.625 41.75,106.441 42.436,105.755 42.436,104.464 42.436,95.079 40.475,93.118 40.475,80.601 40.997,80.079 40.997,76.328 43.8,73.525 J13.59@45.4,73.525
  Bottom w0.325: J23.11@40.5,112.375 J23.11@40.5,115.875
CAM1_GPIO1: J13.57 J23.12 | length 46
  Bottom w0.2: J23.12@41.5,112.375 41.5,111.625 42.05,111.075 42.05,106.565 42.736,105.88 42.736,94.955 40.775,92.994 40.775,80.725 41.297,80.203 41.297,76.452 43.624,74.125 J13.57@45.4,74.125
  Bottom w0.325: J23.12@41.5,112.375 J23.12@41.5,115.875
DSI1_CLK_N: J13.102 J22.5 | length 75.5
  L4 w0.1: v1(33.446,63.45) 33.613,63.617 33.613,64.15 32.7,65.063 32.7,85.249 33.438,85.986 33.438,99.756 32.55,100.644 32.55,105.375 32.925,105.75 32.925,114.189 30.55,116.564 30.55,119.133 34.9,123.483 34.9,124.1 v1(34.5,124.5)
  Bottom w0.325: J22.5@34.5,119.8 J22.5@34.5,123.3 v1(34.5,124.5)
  Bottom w0.35: v1@33.488,63.425 33.488,62.863 ccw(c35.65,62.863) 35.65,60.7 35.95,60.7 36.025,60.625 J13.102@37.2,60.625
DSI1_CLK_P: J13.100 J22.6 | length 74.8
  L4 w0.1: v1(33.979,63.45) 33.813,63.617 33.813,64.233 32.9,65.145 32.9,85.166 33.638,85.903 33.638,99.839 32.75,100.726 32.75,105.292 33.125,105.667 33.125,114.272 30.75,116.647 30.75,119.05 35.1,123.4 35.1,124.1 v1(35.5,124.5)
  Bottom w0.325: J22.6@35.5,119.8 J22.6@35.5,123.3 v1(35.5,124.5)
  Bottom w0.35: v1@33.938,63.425 33.938,62.863 ccw(c35.65,62.863) 35.65,61.15 35.95,61.15 36.025,61.225 J13.100@37.2,61.225
DSI1_D0_N: J13.96 J22.8 | length 75.6
  L4 w0.1: v1(34.558,63.45) 34.725,63.617 34.725,64.1 33.1,65.725 33.1,85.083 33.838,85.82 33.838,99.922 32.95,100.809 32.95,105.2 33.325,105.575 33.325,114.355 30.95,116.73 30.95,117.994 35.489,122.533 37.458,122.533 37.9,122.975 37.9,124.1 v1(37.5,124.5)